# Altium PCB Headstage_V003.PcbDoc (part 2 of 2)
Units mil, origin at the board's own origin, x right, y up, seen from the top; angles counter-clockwise.
Board outline 4597.47 x 4600 mil, 4 copper layers (Top Copper Layer, Internal Copper Layer 1, Internal Copper Layer 2, Bottom Copper Layer), stack 62.205 mil thick; 16 components, 100 nets, 234 pads, 22 vias.
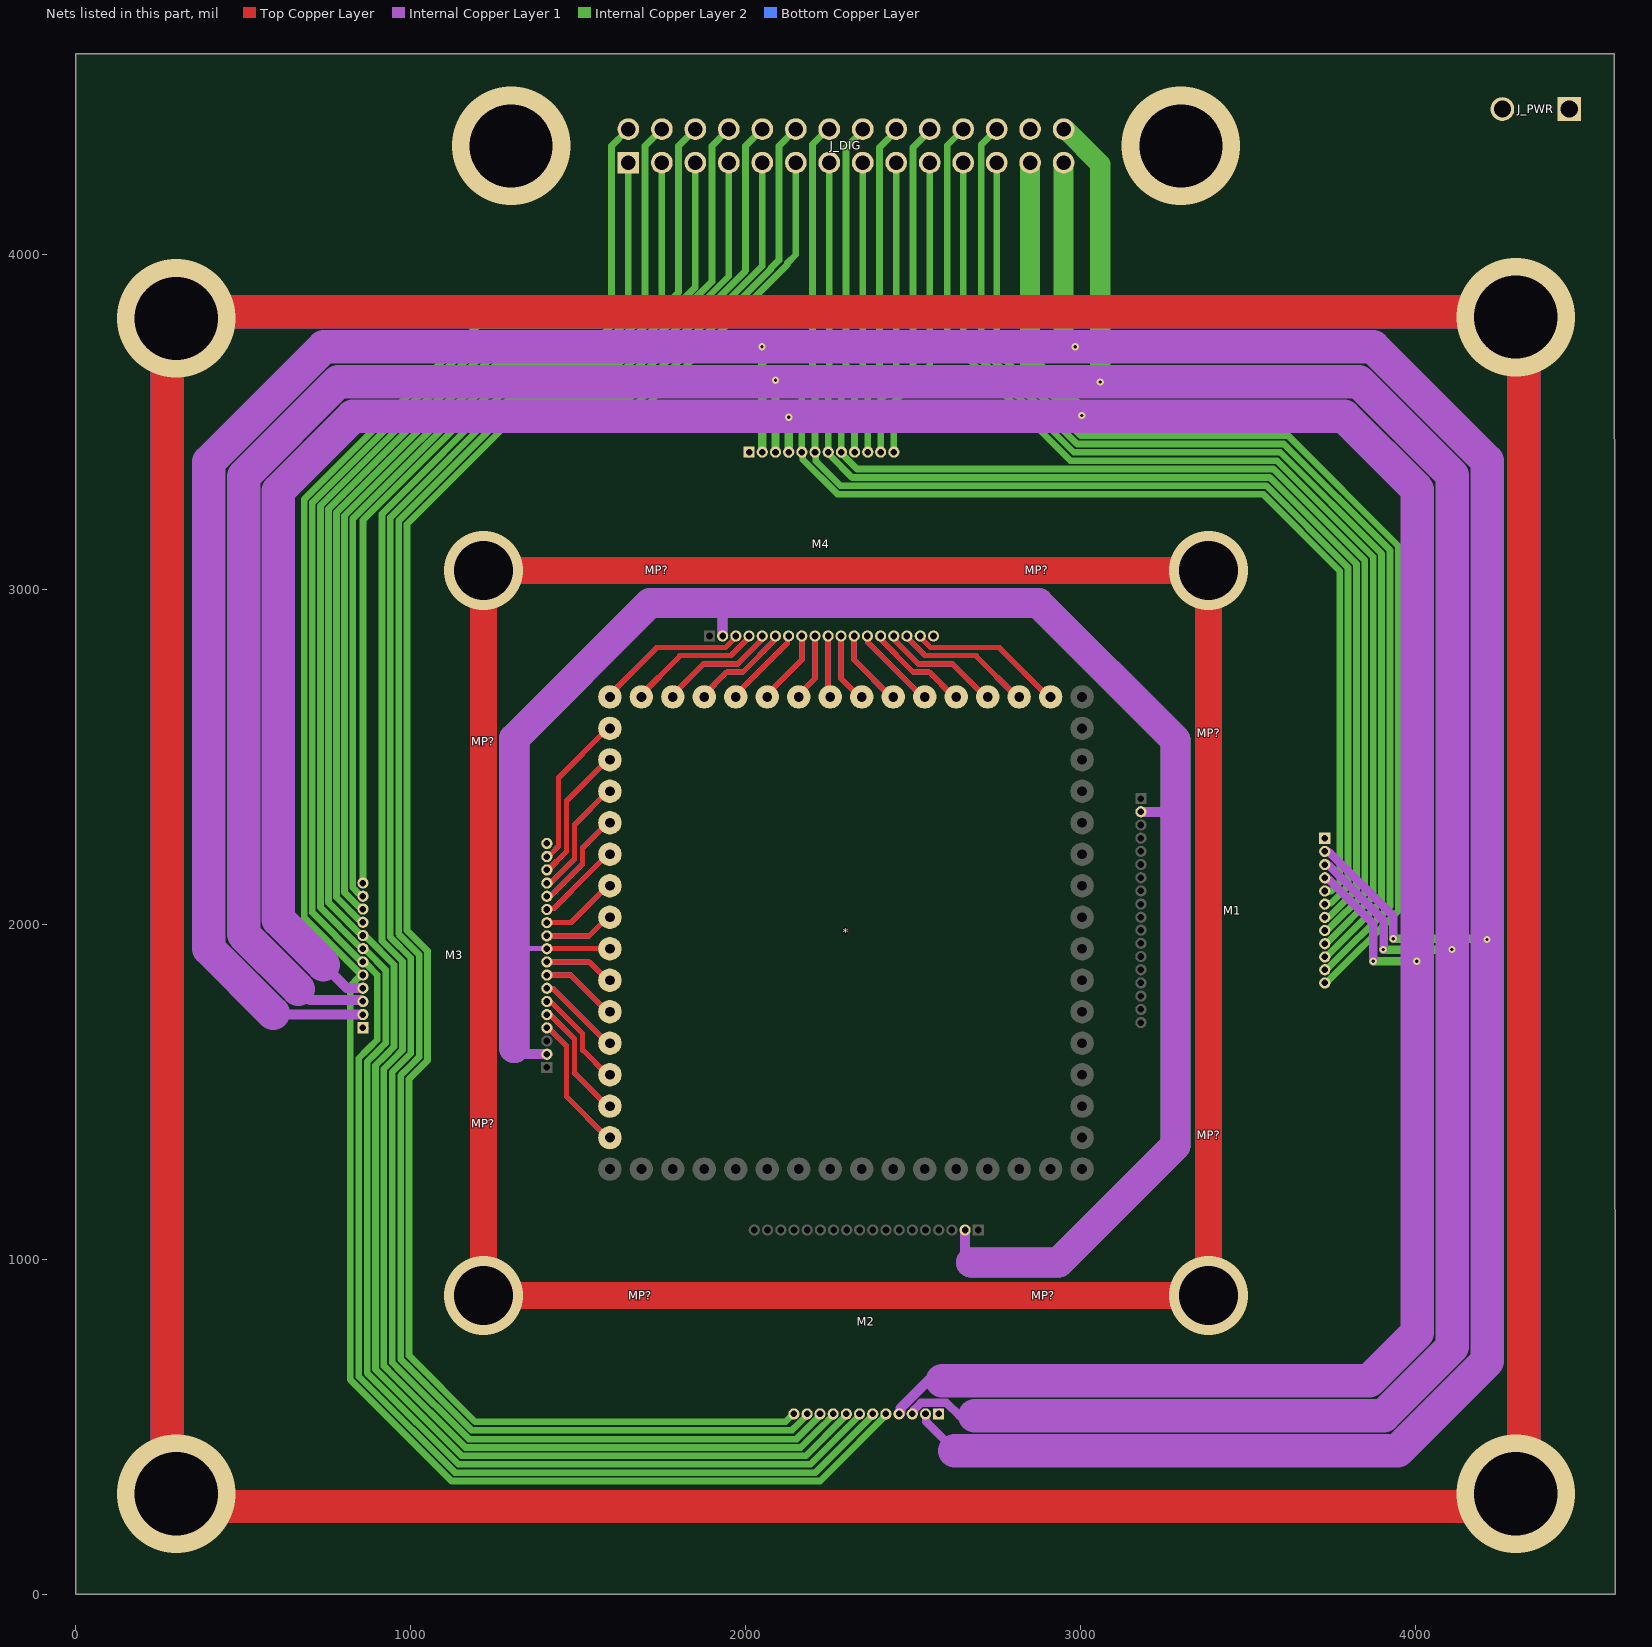
[diagram p4: the nets of this part, all layers, seen from the top]

## Via types
v1: diameter 21.65, hole 9.84, Top Copper Layer to Bottom Copper Layer, 12 vias
v2: diameter 354.33, hole 248.03, Top Copper Layer to Bottom Copper Layer, 6 vias
v3: diameter 236.22, hole 177.17, Top Copper Layer to Bottom Copper Layer, 4 vias

## Nets (pads, with @x,y where several pads share a name; then routed paths per layer and width w, separated by ;. In a path a pad name is that pad's centre, name@x,y a point inside that pad or via, vN(x,y) a via of type N, cw(c..) or ccw(c..) an arc to the next point about the centre after c; other vN are vias at no path point) (continued)
E3_1: *.27 M3.16 | length 3249.6
  Top Copper Layer w15: M3.16@1406.66,1691.28 M3.16@1410.3,1691.28 ; M3.16@1406.66,1691.28 M3.16@1410.3,1691.28 ; M3.16@1406.66,1691.28 M3.16@1410.3,1691.28 ; M3.16@1406.66,1691.28 M3.16@1410.3,1691.28 ; M3.16@1410.3,1691.28 1465.66,1635.92 ; M3.16@1410.3,1691.28 1465.66,1635.92 ; M3.16@1410.3,1691.28 1465.66,1635.92 ; M3.16@1410.3,1691.28 1465.66,1635.92 ; 1465.66,1485.59 1465.66,1635.92 ; 1465.66,1485.59 1465.66,1635.92 ; 1465.66,1485.59 1465.66,1635.92 ; 1465.66,1485.59 1465.66,1635.92 ; 1465.66,1485.59 *.27@1588.66,1362.59 ; 1465.66,1485.59 *.27@1588.66,1362.59 ; 1465.66,1485.59 *.27@1588.66,1362.59 ; 1465.66,1485.59 *.27@1588.66,1362.59
  Internal Copper Layer 1 w15: M3.16@1406.66,1691.28 1410.3,1691.28 1465.66,1635.92 1465.66,1485.59 *.27@1588.66,1362.59
  Internal Copper Layer 2 w15: M3.16@1410.3,1691.28 1465.66,1635.92 ; M3.16@1410.3,1691.28 1465.66,1635.92 ; M3.16@1410.3,1691.28 M3.16@1406.66,1691.28 M3.16@1410.3,1691.28 ; 1465.66,1485.59 1465.66,1635.92 ; 1465.66,1485.59 1465.66,1635.92 ; 1465.66,1485.59 1588.66,1362.59 1465.66,1485.59
  Bottom Copper Layer w15: M3.16@1406.66,1691.28 1410.3,1691.28 1465.66,1635.92 1465.66,1485.59 *.27@1588.66,1362.59
E3_2: *.17 M3.17 | length 2842.1
  Top Copper Layer w15: M3.17@1406.66,1730.65 M3.17@1409.24,1728.07 ; M3.17@1406.66,1730.65 M3.17@1409.24,1728.07 ; M3.17@1406.66,1730.65 M3.17@1409.24,1728.07 ; M3.17@1406.66,1730.65 M3.17@1409.24,1728.07 ; M3.17@1409.24,1728.07 M3.17@1419.18,1728.07 ; M3.17@1409.24,1728.07 M3.17@1419.18,1728.07 ; M3.17@1409.24,1728.07 M3.17@1419.18,1728.07 ; M3.17@1409.24,1728.07 M3.17@1419.18,1728.07 ; M3.17@1419.18,1728.07 1489.66,1657.59 ; M3.17@1419.18,1728.07 1489.66,1657.59 ; M3.17@1419.18,1728.07 1489.66,1657.59 ; M3.17@1419.18,1728.07 1489.66,1657.59 ; 1489.66,1555.59 1489.66,1657.59 ; 1489.66,1555.59 1489.66,1657.59 ; 1489.66,1555.59 1489.66,1657.59 ; 1489.66,1555.59 1489.66,1657.59 ; 1489.66,1555.59 *.17@1588.66,1456.59 ; 1489.66,1555.59 *.17@1588.66,1456.59 ; 1489.66,1555.59 *.17@1588.66,1456.59 ; 1489.66,1555.59 *.17@1588.66,1456.59
  Internal Copper Layer 1 w15: M3.17@1406.66,1730.65 1409.24,1728.07 1419.18,1728.07 1489.66,1657.59 1489.66,1555.59 *.17@1588.66,1456.59
  Internal Copper Layer 2 w15: M3.17@1409.24,1728.07 M3.17@1419.18,1728.07 ; M3.17@1409.24,1728.07 M3.17@1419.18,1728.07 ; M3.17@1409.24,1728.07 M3.17@1406.66,1730.65 M3.17@1409.24,1728.07 ; M3.17@1419.18,1728.07 1489.66,1657.59 ; M3.17@1419.18,1728.07 1489.66,1657.59 ; 1489.66,1555.59 1588.66,1456.59 1489.66,1555.59 ; 1489.66,1555.59 1489.66,1657.59 ; 1489.66,1555.59 1489.66,1657.59
  Bottom Copper Layer w15: M3.17@1406.66,1730.65 1409.24,1728.07 1419.18,1728.07 1489.66,1657.59 1489.66,1555.59 *.17@1588.66,1456.59
E3_3: *.26 M3.18 | length 2408.1
  Top Copper Layer w15: M3.18@1406.66,1770.02 M3.18@1409.24,1767.44 ; M3.18@1406.66,1770.02 M3.18@1409.24,1767.44 ; M3.18@1406.66,1770.02 M3.18@1409.24,1767.44 ; M3.18@1406.66,1770.02 M3.18@1409.24,1767.44 ; M3.18@1409.24,1767.44 M3.18@1419.81,1767.44 ; M3.18@1409.24,1767.44 M3.18@1419.81,1767.44 ; M3.18@1409.24,1767.44 M3.18@1419.81,1767.44 ; M3.18@1409.24,1767.44 M3.18@1419.81,1767.44 ; M3.18@1419.81,1767.44 1513.66,1673.59 ; M3.18@1419.81,1767.44 1513.66,1673.59 ; M3.18@1419.81,1767.44 1513.66,1673.59 ; M3.18@1419.81,1767.44 1513.66,1673.59 ; 1513.66,1625.59 1513.66,1673.59 ; 1513.66,1625.59 1513.66,1673.59 ; 1513.66,1625.59 1513.66,1673.59 ; 1513.66,1625.59 1513.66,1673.59 ; 1513.66,1625.59 *.26@1588.66,1550.59 ; 1513.66,1625.59 *.26@1588.66,1550.59 ; 1513.66,1625.59 *.26@1588.66,1550.59 ; 1513.66,1625.59 *.26@1588.66,1550.59
  Internal Copper Layer 1 w15: M3.18@1406.66,1770.02 1409.24,1767.44 1419.81,1767.44 1513.66,1673.59 1513.66,1625.59 *.26@1588.66,1550.59
  Internal Copper Layer 2 w15: M3.18@1409.24,1767.44 M3.18@1406.66,1770.02 M3.18@1409.24,1767.44 ; M3.18@1409.24,1767.44 M3.18@1419.81,1767.44 ; M3.18@1409.24,1767.44 M3.18@1419.81,1767.44 ; M3.18@1419.81,1767.44 1513.66,1673.59 ; M3.18@1419.81,1767.44 1513.66,1673.59 ; 1513.66,1625.59 1588.66,1550.59 1513.66,1625.59 ; 1513.66,1625.59 1513.66,1673.59 ; 1513.66,1625.59 1513.66,1673.59
  Bottom Copper Layer w15: M3.18@1406.66,1770.02 1409.24,1767.44 1419.81,1767.44 1513.66,1673.59 1513.66,1625.59 *.26@1588.66,1550.59
E3_4: *.16 M3.19 | length 2002.1
  Top Copper Layer w15: M3.19@1406.66,1809.39 M3.19@1409.24,1806.81 ; M3.19@1406.66,1809.39 M3.19@1409.24,1806.81 ; M3.19@1406.66,1809.39 M3.19@1409.24,1806.81 ; M3.19@1406.66,1809.39 M3.19@1409.24,1806.81 ; M3.19@1409.24,1806.81 1426.44,1806.81 ; M3.19@1409.24,1806.81 1426.44,1806.81 ; M3.19@1409.24,1806.81 1426.44,1806.81 ; M3.19@1409.24,1806.81 1426.44,1806.81 ; 1426.44,1806.81 1539.66,1693.59 ; 1426.44,1806.81 1539.66,1693.59 ; 1426.44,1806.81 1539.66,1693.59 ; 1426.44,1806.81 1539.66,1693.59 ; 1539.66,1693.59 *.16@1588.66,1644.59 ; 1539.66,1693.59 *.16@1588.66,1644.59 ; 1539.66,1693.59 *.16@1588.66,1644.59 ; 1539.66,1693.59 *.16@1588.66,1644.59
  Internal Copper Layer 1 w15: M3.19@1406.66,1809.39 1409.24,1806.81 1426.44,1806.81 1539.66,1693.59 *.16@1588.66,1644.59
  Internal Copper Layer 2 w15: M3.19@1409.24,1806.81 M3.19@1406.66,1809.39 M3.19@1409.24,1806.81 ; M3.19@1409.24,1806.81 1426.44,1806.81 ; M3.19@1409.24,1806.81 1426.44,1806.81 ; 1426.44,1806.81 1539.66,1693.59 ; 1426.44,1806.81 1539.66,1693.59 ; 1539.66,1693.59 1588.66,1644.59 1539.66,1693.59
  Bottom Copper Layer w15: M3.19@1406.66,1809.39 1409.24,1806.81 1426.44,1806.81 1539.66,1693.59 *.16@1588.66,1644.59
E3_5: *.35 M3.20 | length 1821.1
  Top Copper Layer w15: M3.20@1406.66,1848.76 1478.5,1848.76 ; M3.20@1406.66,1848.76 1478.5,1848.76 ; M3.20@1406.66,1848.76 1478.5,1848.76 ; M3.20@1406.66,1848.76 1478.5,1848.76 ; 1478.5,1848.76 *.35@1588.66,1738.59 ; 1478.5,1848.76 *.35@1588.66,1738.59 ; 1478.5,1848.76 *.35@1588.66,1738.59 ; 1478.5,1848.76 *.35@1588.66,1738.59
  Internal Copper Layer 1 w15: M3.20@1406.66,1848.76 1478.5,1848.76 *.35@1588.66,1738.59
  Internal Copper Layer 2 w15: 1478.5,1848.76 M3.20@1406.66,1848.76 1478.5,1848.76 ; 1478.5,1848.76 1588.66,1738.59 1478.5,1848.76
  Bottom Copper Layer w15: M3.20@1406.66,1848.76 1478.5,1848.76 *.35@1588.66,1738.59
E3_6: *.25 M3.21 | length 1640
  Top Copper Layer w15: M3.21@1406.66,1888.13 1533.13,1888.13 ; M3.21@1406.66,1888.13 1533.13,1888.13 ; M3.21@1406.66,1888.13 1533.13,1888.13 ; M3.21@1406.66,1888.13 1533.13,1888.13 ; 1533.13,1888.13 *.25@1588.66,1832.59 ; 1533.13,1888.13 *.25@1588.66,1832.59 ; 1533.13,1888.13 *.25@1588.66,1832.59 ; 1533.13,1888.13 *.25@1588.66,1832.59
  Internal Copper Layer 1 w15: M3.21@1406.66,1888.13 1533.13,1888.13 *.25@1588.66,1832.59
  Internal Copper Layer 2 w15: 1533.13,1888.13 M3.21@1406.66,1888.13 1533.13,1888.13 ; 1533.13,1888.13 1588.66,1832.59 1533.13,1888.13
  Bottom Copper Layer w15: M3.21@1406.66,1888.13 1533.13,1888.13 *.25@1588.66,1832.59
E3_8: *.14 M3.23 | length 1640
  Top Copper Layer w15: M3.23@1406.66,1965.96 1533.13,1965.96 ; M3.23@1406.66,1965.96 1533.13,1965.96 ; M3.23@1406.66,1965.96 1533.13,1965.96 ; M3.23@1406.66,1965.96 1533.13,1965.96 ; 1533.13,1965.96 *.14@1588.66,2021.5 ; 1533.13,1965.96 *.14@1588.66,2021.5 ; 1533.13,1965.96 *.14@1588.66,2021.5 ; 1533.13,1965.96 *.14@1588.66,2021.5
  Internal Copper Layer 1 w15: M3.23@1406.66,1965.96 1533.13,1965.96 *.14@1588.66,2021.5
  Internal Copper Layer 2 w15: 1533.13,1965.96 M3.23@1406.66,1965.96 1533.13,1965.96 ; 1533.13,1965.96 1588.66,2021.5 1533.13,1965.96
  Bottom Copper Layer w15: M3.23@1406.66,1965.96 1533.13,1965.96 *.14@1588.66,2021.5
E3_9: *.24 M3.24 | length 1821.1
  Top Copper Layer w15: M3.24@1406.66,2005.33 1478.5,2005.33 ; M3.24@1406.66,2005.33 1478.5,2005.33 ; M3.24@1406.66,2005.33 1478.5,2005.33 ; M3.24@1406.66,2005.33 1478.5,2005.33 ; 1478.5,2005.33 *.24@1588.66,2115.5 ; 1478.5,2005.33 *.24@1588.66,2115.5 ; 1478.5,2005.33 *.24@1588.66,2115.5 ; 1478.5,2005.33 *.24@1588.66,2115.5
  Internal Copper Layer 1 w15: M3.24@1406.66,2005.33 1478.5,2005.33 *.24@1588.66,2115.5
  Internal Copper Layer 2 w15: 1478.5,2005.33 M3.24@1406.66,2005.33 1478.5,2005.33 ; 1478.5,2005.33 1588.66,2115.5 1478.5,2005.33
  Bottom Copper Layer w15: M3.24@1406.66,2005.33 1478.5,2005.33 *.24@1588.66,2115.5
E3_10: *.34 M3.25 | length 2002.1
  Top Copper Layer w15: M3.25@1406.66,2044.7 M3.25@1409.24,2047.28 ; M3.25@1406.66,2044.7 M3.25@1409.24,2047.28 ; M3.25@1406.66,2044.7 M3.25@1409.24,2047.28 ; M3.25@1406.66,2044.7 M3.25@1409.24,2047.28 ; M3.25@1409.24,2047.28 1426.44,2047.28 ; M3.25@1409.24,2047.28 1426.44,2047.28 ; M3.25@1409.24,2047.28 1426.44,2047.28 ; M3.25@1409.24,2047.28 1426.44,2047.28 ; 1426.44,2047.28 1539.66,2160.5 ; 1426.44,2047.28 1539.66,2160.5 ; 1426.44,2047.28 1539.66,2160.5 ; 1426.44,2047.28 1539.66,2160.5 ; 1539.66,2160.5 *.34@1588.66,2209.5 ; 1539.66,2160.5 *.34@1588.66,2209.5 ; 1539.66,2160.5 *.34@1588.66,2209.5 ; 1539.66,2160.5 *.34@1588.66,2209.5
  Internal Copper Layer 1 w15: M3.25@1406.66,2044.7 1409.24,2047.28 1426.44,2047.28 1539.66,2160.5 *.34@1588.66,2209.5
  Internal Copper Layer 2 w15: M3.25@1409.24,2047.28 M3.25@1406.66,2044.7 M3.25@1409.24,2047.28 ; M3.25@1409.24,2047.28 1426.44,2047.28 ; M3.25@1409.24,2047.28 1426.44,2047.28 ; 1426.44,2047.28 1539.66,2160.5 ; 1426.44,2047.28 1539.66,2160.5 ; 1539.66,2160.5 1588.66,2209.5 1539.66,2160.5
  Bottom Copper Layer w15: M3.25@1406.66,2044.7 1409.24,2047.28 1426.44,2047.28 1539.66,2160.5 *.34@1588.66,2209.5
E3_11: *.13 M3.26 | length 2408.1
  Top Copper Layer w15: M3.26@1406.66,2084.07 M3.26@1409.24,2086.65 ; M3.26@1406.66,2084.07 M3.26@1409.24,2086.65 ; M3.26@1406.66,2084.07 M3.26@1409.24,2086.65 ; M3.26@1406.66,2084.07 M3.26@1409.24,2086.65 ; M3.26@1409.24,2086.65 M3.26@1419.81,2086.65 ; M3.26@1409.24,2086.65 M3.26@1419.81,2086.65 ; M3.26@1409.24,2086.65 M3.26@1419.81,2086.65 ; M3.26@1409.24,2086.65 M3.26@1419.81,2086.65 ; M3.26@1419.81,2086.65 1513.66,2180.5 ; M3.26@1419.81,2086.65 1513.66,2180.5 ; M3.26@1419.81,2086.65 1513.66,2180.5 ; M3.26@1419.81,2086.65 1513.66,2180.5 ; 1513.66,2180.5 1513.66,2228.5 ; 1513.66,2180.5 1513.66,2228.5 ; 1513.66,2180.5 1513.66,2228.5 ; 1513.66,2180.5 1513.66,2228.5 ; 1513.66,2228.5 *.13@1588.66,2303.5 ; 1513.66,2228.5 *.13@1588.66,2303.5 ; 1513.66,2228.5 *.13@1588.66,2303.5 ; 1513.66,2228.5 *.13@1588.66,2303.5
  Internal Copper Layer 1 w15: M3.26@1406.66,2084.07 1409.24,2086.65 1419.81,2086.65 1513.66,2180.5 1513.66,2228.5 *.13@1588.66,2303.5
  Internal Copper Layer 2 w15: M3.26@1409.24,2086.65 M3.26@1406.66,2084.07 M3.26@1409.24,2086.65 ; M3.26@1409.24,2086.65 M3.26@1419.81,2086.65 ; M3.26@1409.24,2086.65 M3.26@1419.81,2086.65 ; M3.26@1419.81,2086.65 1513.66,2180.5 ; M3.26@1419.81,2086.65 1513.66,2180.5 ; 1513.66,2180.5 1513.66,2228.5 ; 1513.66,2180.5 1513.66,2228.5 ; 1513.66,2228.5 1588.66,2303.5 1513.66,2228.5
  Bottom Copper Layer w15: M3.26@1406.66,2084.07 1409.24,2086.65 1419.81,2086.65 1513.66,2180.5 1513.66,2228.5 *.13@1588.66,2303.5
E3_12: *.23 M3.27 | length 2842.1
  Top Copper Layer w15: M3.27@1406.66,2123.44 M3.27@1409.24,2126.02 ; M3.27@1406.66,2123.44 M3.27@1409.24,2126.02 ; M3.27@1406.66,2123.44 M3.27@1409.24,2126.02 ; M3.27@1406.66,2123.44 M3.27@1409.24,2126.02 ; M3.27@1409.24,2126.02 M3.27@1419.18,2126.02 ; M3.27@1409.24,2126.02 M3.27@1419.18,2126.02 ; M3.27@1409.24,2126.02 M3.27@1419.18,2126.02 ; M3.27@1409.24,2126.02 M3.27@1419.18,2126.02 ; M3.27@1419.18,2126.02 1489.66,2196.5 ; M3.27@1419.18,2126.02 1489.66,2196.5 ; M3.27@1419.18,2126.02 1489.66,2196.5 ; M3.27@1419.18,2126.02 1489.66,2196.5 ; 1489.66,2196.5 1489.66,2298.5 ; 1489.66,2196.5 1489.66,2298.5 ; 1489.66,2196.5 1489.66,2298.5 ; 1489.66,2196.5 1489.66,2298.5 ; 1489.66,2298.5 *.23@1588.66,2397.5 ; 1489.66,2298.5 *.23@1588.66,2397.5 ; 1489.66,2298.5 *.23@1588.66,2397.5 ; 1489.66,2298.5 *.23@1588.66,2397.5
  Internal Copper Layer 1 w15: M3.27@1406.66,2123.44 1409.24,2126.02 1419.18,2126.02 1489.66,2196.5 1489.66,2298.5 *.23@1588.66,2397.5
  Internal Copper Layer 2 w15: M3.27@1409.24,2126.02 M3.27@1406.66,2123.44 M3.27@1409.24,2126.02 ; M3.27@1409.24,2126.02 M3.27@1419.18,2126.02 ; M3.27@1409.24,2126.02 M3.27@1419.18,2126.02 ; M3.27@1419.18,2126.02 1489.66,2196.5 ; M3.27@1419.18,2126.02 1489.66,2196.5 ; 1489.66,2196.5 1489.66,2298.5 ; 1489.66,2196.5 1489.66,2298.5 ; 1489.66,2298.5 1588.66,2397.5 1489.66,2298.5
  Bottom Copper Layer w15: M3.27@1406.66,2123.44 1409.24,2126.02 1419.18,2126.02 1489.66,2196.5 1489.66,2298.5 *.23@1588.66,2397.5
E3_13: *.12 M3.28 | length 3249.6
  Top Copper Layer w15: M3.28@1406.66,2162.82 M3.28@1410.3,2162.82 ; M3.28@1406.66,2162.82 M3.28@1410.3,2162.82 ; M3.28@1406.66,2162.82 M3.28@1410.3,2162.82 ; M3.28@1406.66,2162.82 M3.28@1410.3,2162.82 ; M3.28@1410.3,2162.82 1465.66,2218.18 ; M3.28@1410.3,2162.82 1465.66,2218.18 ; M3.28@1410.3,2162.82 1465.66,2218.18 ; M3.28@1410.3,2162.82 1465.66,2218.18 ; 1465.66,2218.18 1465.66,2368.5 ; 1465.66,2218.18 1465.66,2368.5 ; 1465.66,2218.18 1465.66,2368.5 ; 1465.66,2218.18 1465.66,2368.5 ; 1465.66,2368.5 *.12@1588.66,2491.5 ; 1465.66,2368.5 *.12@1588.66,2491.5 ; 1465.66,2368.5 *.12@1588.66,2491.5 ; 1465.66,2368.5 *.12@1588.66,2491.5
  Internal Copper Layer 1 w15: M3.28@1406.66,2162.82 1410.3,2162.82 1465.66,2218.18 1465.66,2368.5 *.12@1588.66,2491.5
  Internal Copper Layer 2 w15: M3.28@1410.3,2162.82 M3.28@1406.66,2162.82 M3.28@1410.3,2162.82 ; M3.28@1410.3,2162.82 1465.66,2218.18 ; M3.28@1410.3,2162.82 1465.66,2218.18 ; 1465.66,2218.18 1465.66,2368.5 ; 1465.66,2218.18 1465.66,2368.5 ; 1465.66,2368.5 1588.66,2491.5 1465.66,2368.5
  Bottom Copper Layer w15: M3.28@1406.66,2162.82 1410.3,2162.82 1465.66,2218.18 1465.66,2368.5 *.12@1588.66,2491.5
E3_14: *.22 M3.29 | length 3685.2
  Top Copper Layer w15: M3.29@1406.66,2202.64 M3.29@1410.31,2202.64 ; M3.29@1406.66,2202.64 M3.29@1410.31,2202.64 ; M3.29@1406.66,2202.64 M3.29@1410.31,2202.64 ; M3.29@1406.66,2202.64 M3.29@1410.31,2202.64 ; M3.29@1410.31,2202.64 M3.29@1418.94,2211.28 ; M3.29@1410.31,2202.64 M3.29@1418.94,2211.28 ; M3.29@1410.31,2202.64 M3.29@1418.94,2211.28 ; M3.29@1410.31,2202.64 M3.29@1418.94,2211.28 ; M3.29@1418.94,2211.28 M3.29@1419.39,2211.28 ; M3.29@1418.94,2211.28 M3.29@1419.39,2211.28 ; M3.29@1418.94,2211.28 M3.29@1419.39,2211.28 ; M3.29@1418.94,2211.28 M3.29@1419.39,2211.28 ; M3.29@1419.39,2211.28 1441.66,2233.55 ; M3.29@1419.39,2211.28 1441.66,2233.55 ; M3.29@1419.39,2211.28 1441.66,2233.55 ; M3.29@1419.39,2211.28 1441.66,2233.55 ; 1441.66,2233.55 1441.66,2438.5 ; 1441.66,2233.55 1441.66,2438.5 ; 1441.66,2233.55 1441.66,2438.5 ; 1441.66,2233.55 1441.66,2438.5 ; 1441.66,2438.5 *.22@1588.66,2585.5 ; 1441.66,2438.5 *.22@1588.66,2585.5 ; 1441.66,2438.5 *.22@1588.66,2585.5 ; 1441.66,2438.5 *.22@1588.66,2585.5
  Internal Copper Layer 1 w15: M3.29@1406.66,2202.64 1410.31,2202.64 1418.94,2211.28 1419.39,2211.28 1441.66,2233.55 1441.66,2438.5 *.22@1588.66,2585.5
  Internal Copper Layer 2 w15: M3.29@1410.31,2202.64 M3.29@1406.66,2202.64 M3.29@1410.31,2202.64 ; M3.29@1410.31,2202.64 M3.29@1418.94,2211.28 ; M3.29@1410.31,2202.64 M3.29@1418.94,2211.28 ; M3.29@1418.94,2211.28 M3.29@1419.39,2211.28 ; M3.29@1418.94,2211.28 M3.29@1419.39,2211.28 ; M3.29@1419.39,2211.28 1441.66,2233.55 ; M3.29@1419.39,2211.28 1441.66,2233.55 ; 1441.66,2233.55 1441.66,2438.5 ; 1441.66,2233.55 1441.66,2438.5 ; 1441.66,2438.5 1588.66,2585.5 1441.66,2438.5
  Bottom Copper Layer w15: M3.29@1406.66,2202.64 1410.31,2202.64 1418.94,2211.28 1419.39,2211.28 1441.66,2233.55 1441.66,2438.5 *.22@1588.66,2585.5
E3_15: M3.30
E4_0: *.33 M4.15 | length 3685.2
  Top Copper Layer w15: *.33@1587.76,2679.5 1734.76,2826.5 ; *.33@1587.76,2679.5 1734.76,2826.5 ; *.33@1587.76,2679.5 1734.76,2826.5 ; *.33@1587.76,2679.5 1734.76,2826.5 ; 1734.76,2826.5 1939.71,2826.5 ; 1734.76,2826.5 1939.71,2826.5 ; 1734.76,2826.5 1939.71,2826.5 ; 1734.76,2826.5 1939.71,2826.5 ; 1939.71,2826.5 M4.15@1961.98,2848.77 ; 1939.71,2826.5 M4.15@1961.98,2848.77 ; 1939.71,2826.5 M4.15@1961.98,2848.77 ; 1939.71,2826.5 M4.15@1961.98,2848.77 ; M4.15@1961.98,2848.77 M4.15@1961.98,2849.22 ; M4.15@1961.98,2848.77 M4.15@1961.98,2849.22 ; M4.15@1961.98,2848.77 M4.15@1961.98,2849.22 ; M4.15@1961.98,2848.77 M4.15@1961.98,2849.22 ; M4.15@1961.98,2849.22 M4.15@1970.62,2857.86 ; M4.15@1961.98,2849.22 M4.15@1970.62,2857.86 ; M4.15@1961.98,2849.22 M4.15@1970.62,2857.86 ; M4.15@1961.98,2849.22 M4.15@1970.62,2857.86 ; M4.15@1970.62,2857.86 M4.15@1970.62,2861.5 ; M4.15@1970.62,2857.86 M4.15@1970.62,2861.5 ; M4.15@1970.62,2857.86 M4.15@1970.62,2861.5 ; M4.15@1970.62,2857.86 M4.15@1970.62,2861.5
  Internal Copper Layer 1 w15: *.33@1587.76,2679.5 1734.76,2826.5 1939.71,2826.5 1961.98,2848.77 1961.98,2849.22 1970.62,2857.86 M4.15@1970.62,2861.5
  Internal Copper Layer 2 w15: 1734.76,2826.5 1587.76,2679.5 1734.76,2826.5 ; 1734.76,2826.5 1939.71,2826.5 ; 1734.76,2826.5 1939.71,2826.5 ; 1939.71,2826.5 M4.15@1961.98,2848.77 ; 1939.71,2826.5 M4.15@1961.98,2848.77 ; M4.15@1961.98,2848.77 M4.15@1961.98,2849.22 ; M4.15@1961.98,2848.77 M4.15@1961.98,2849.22 ; M4.15@1961.98,2849.22 M4.15@1970.62,2857.86 ; M4.15@1961.98,2849.22 M4.15@1970.62,2857.86 ; M4.15@1970.62,2857.86 1970.62,2861.5 M4.15@1970.62,2857.86
  Bottom Copper Layer w15: *.33@1587.76,2679.5 1734.76,2826.5 1939.71,2826.5 1961.98,2848.77 1961.98,2849.22 1970.62,2857.86 M4.15@1970.62,2861.5
E4_1: *.21 M4.16 | length 3249.6
  Top Copper Layer w15: *.21@1681.76,2679.5 1804.76,2802.5 ; *.21@1681.76,2679.5 1804.76,2802.5 ; *.21@1681.76,2679.5 1804.76,2802.5 ; *.21@1681.76,2679.5 1804.76,2802.5 ; 1804.76,2802.5 1955.08,2802.5 ; 1804.76,2802.5 1955.08,2802.5 ; 1804.76,2802.5 1955.08,2802.5 ; 1804.76,2802.5 1955.08,2802.5 ; 1955.08,2802.5 M4.16@2010.44,2857.86 ; 1955.08,2802.5 M4.16@2010.44,2857.86 ; 1955.08,2802.5 M4.16@2010.44,2857.86 ; 1955.08,2802.5 M4.16@2010.44,2857.86 ; M4.16@2010.44,2857.86 M4.16@2010.44,2861.5 ; M4.16@2010.44,2857.86 M4.16@2010.44,2861.5 ; M4.16@2010.44,2857.86 M4.16@2010.44,2861.5 ; M4.16@2010.44,2857.86 M4.16@2010.44,2861.5
  Internal Copper Layer 1 w15: *.21@1681.76,2679.5 1804.76,2802.5 1955.08,2802.5 2010.44,2857.86 M4.16@2010.44,2861.5
  Internal Copper Layer 2 w15: 1804.76,2802.5 1681.76,2679.5 1804.76,2802.5 ; 1804.76,2802.5 1955.08,2802.5 ; 1804.76,2802.5 1955.08,2802.5 ; 1955.08,2802.5 M4.16@2010.44,2857.86 ; 1955.08,2802.5 M4.16@2010.44,2857.86 ; M4.16@2010.44,2857.86 M4.16@2010.44,2861.5 M4.16@2010.44,2857.86
  Bottom Copper Layer w15: *.21@1681.76,2679.5 1804.76,2802.5 1955.08,2802.5 2010.44,2857.86 M4.16@2010.44,2861.5
E4_2: *.32 M4.17 | length 2842.1
  Top Copper Layer w15: *.32@1775.76,2679.5 1874.76,2778.5 ; *.32@1775.76,2679.5 1874.76,2778.5 ; *.32@1775.76,2679.5 1874.76,2778.5 ; *.32@1775.76,2679.5 1874.76,2778.5 ; 1874.76,2778.5 1976.76,2778.5 ; 1874.76,2778.5 1976.76,2778.5 ; 1874.76,2778.5 1976.76,2778.5 ; 1874.76,2778.5 1976.76,2778.5 ; 1976.76,2778.5 M4.17@2047.23,2848.98 ; 1976.76,2778.5 M4.17@2047.23,2848.98 ; 1976.76,2778.5 M4.17@2047.23,2848.98 ; 1976.76,2778.5 M4.17@2047.23,2848.98 ; M4.17@2047.23,2848.98 M4.17@2047.23,2858.92 ; M4.17@2047.23,2848.98 M4.17@2047.23,2858.92 ; M4.17@2047.23,2848.98 M4.17@2047.23,2858.92 ; M4.17@2047.23,2848.98 M4.17@2047.23,2858.92 ; M4.17@2047.23,2858.92 M4.17@2049.81,2861.5 ; M4.17@2047.23,2858.92 M4.17@2049.81,2861.5 ; M4.17@2047.23,2858.92 M4.17@2049.81,2861.5 ; M4.17@2047.23,2858.92 M4.17@2049.81,2861.5
  Internal Copper Layer 1 w15: *.32@1775.76,2679.5 1874.76,2778.5 1976.76,2778.5 2047.23,2848.98 2047.23,2858.92 M4.17@2049.81,2861.5
  Internal Copper Layer 2 w15: 1874.76,2778.5 1775.76,2679.5 1874.76,2778.5 ; 1874.76,2778.5 1976.76,2778.5 ; 1874.76,2778.5 1976.76,2778.5 ; 1976.76,2778.5 M4.17@2047.23,2848.98 ; 1976.76,2778.5 M4.17@2047.23,2848.98 ; M4.17@2047.23,2848.98 M4.17@2047.23,2858.92 ; M4.17@2047.23,2848.98 M4.17@2047.23,2858.92 ; M4.17@2047.23,2858.92 M4.17@2049.81,2861.5 M4.17@2047.23,2858.92
  Bottom Copper Layer w15: *.32@1775.76,2679.5 1874.76,2778.5 1976.76,2778.5 2047.23,2848.98 2047.23,2858.92 M4.17@2049.81,2861.5
E4_3: *.31 M4.18 | length 2408.1
  Top Copper Layer w15: *.31@1869.76,2679.5 1944.76,2754.5 ; *.31@1869.76,2679.5 1944.76,2754.5 ; *.31@1869.76,2679.5 1944.76,2754.5 ; *.31@1869.76,2679.5 1944.76,2754.5 ; 1944.76,2754.5 1992.76,2754.5 ; 1944.76,2754.5 1992.76,2754.5 ; 1944.76,2754.5 1992.76,2754.5 ; 1944.76,2754.5 1992.76,2754.5 ; 1992.76,2754.5 M4.18@2086.61,2848.35 ; 1992.76,2754.5 M4.18@2086.61,2848.35 ; 1992.76,2754.5 M4.18@2086.61,2848.35 ; 1992.76,2754.5 M4.18@2086.61,2848.35 ; M4.18@2086.61,2848.35 M4.18@2086.61,2858.92 ; M4.18@2086.61,2848.35 M4.18@2086.61,2858.92 ; M4.18@2086.61,2848.35 M4.18@2086.61,2858.92 ; M4.18@2086.61,2848.35 M4.18@2086.61,2858.92 ; M4.18@2086.61,2858.92 M4.18@2089.18,2861.5 ; M4.18@2086.61,2858.92 M4.18@2089.18,2861.5 ; M4.18@2086.61,2858.92 M4.18@2089.18,2861.5 ; M4.18@2086.61,2858.92 M4.18@2089.18,2861.5